# KiCad board stereoBoy_MGB.kicad_pcb (continued)
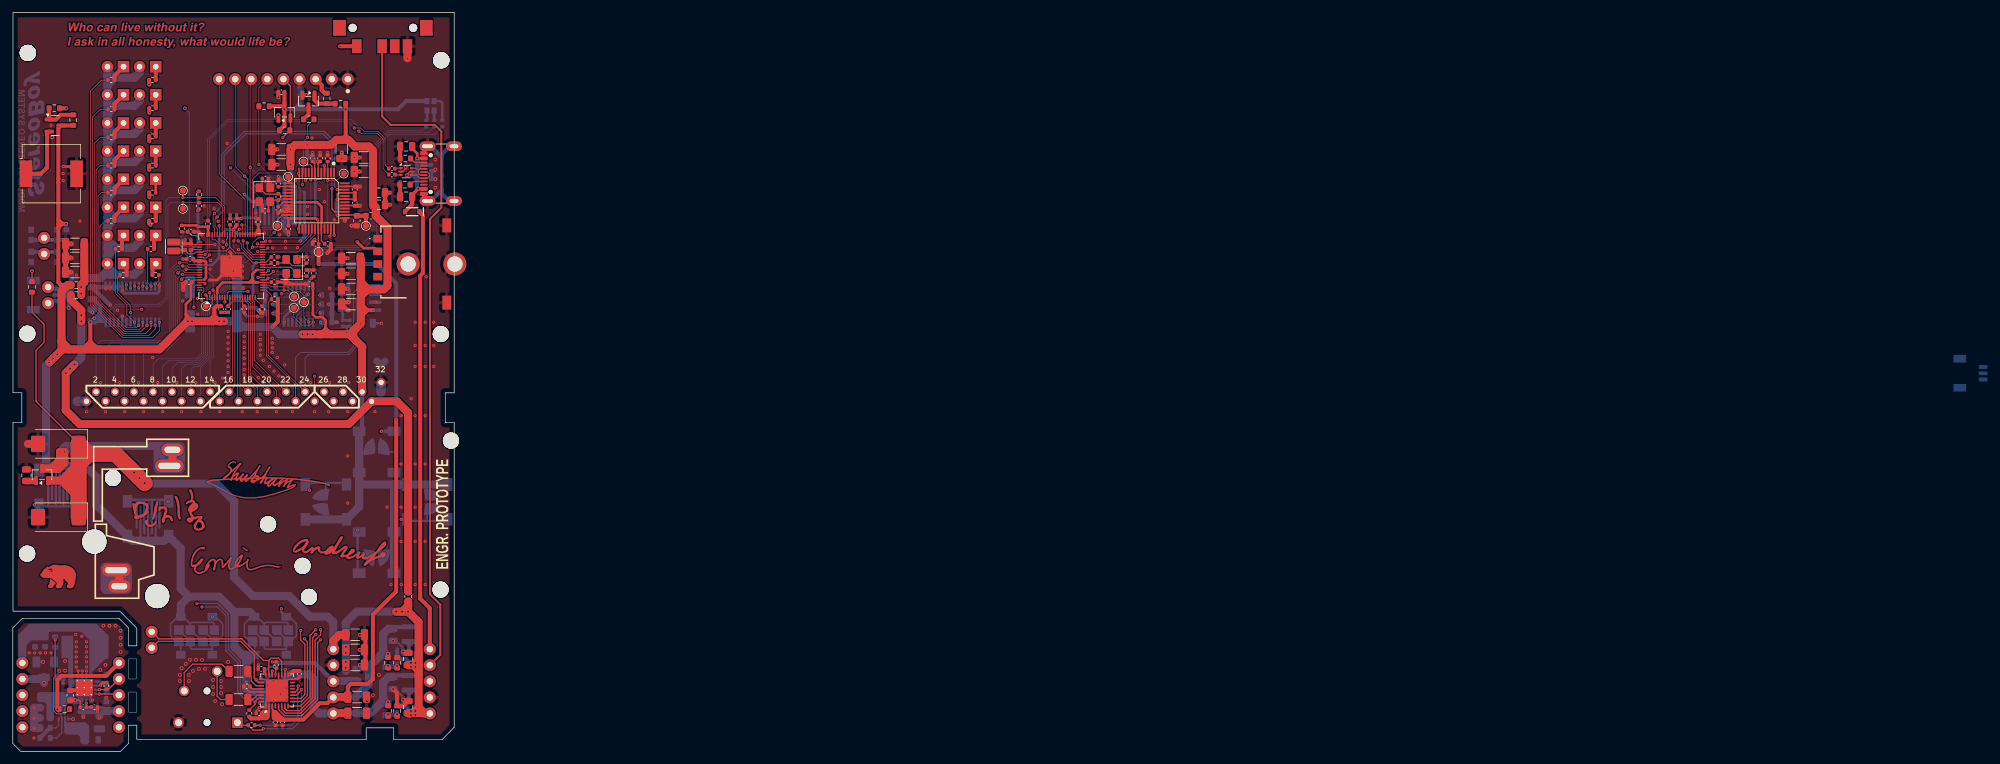
[diagram p0: board, top side]
## Library data of the parts (continued)
TP14 = -: Description: test point; ki_fp_filters: Pin* Test*
U1 = -: MF: VLSI; Description_1: VS1053B MP3/WAV/OGG/MIDI Player & Recorder (CODEC) Chip; Package: LQFP-48 VLSI; MPN: VS1053B; Price: None; SnapEDA_Link: https://www.snapeda.com/parts/VS1053B-L/VLSI/view-part/?ref=snap; MP: VS1053B-L; Availability: Not in stock; Check_prices: https://www.snapeda.com/parts/VS1053B-L/VLSI/view-part/?ref=eda
U2 = -: Datasheet: http://www.nxp.com/docs/en/data-sheet/PCA9685.pdf; Description: 16-channel 12-bit PWM Fm+ I2C-bus LED controller RGBA TSSOP; ki_fp_filters: TSSOP*4.4x9.7mm*P0.65mm*
U3 = -: Datasheet: http://www.ti.com/lit/ds/symlink/tps61090.pdf; Description: 2A Step-Up DC-DC Converter for Batteries, Isw up to 2500mA, Adjustable output voltage, QFN-16; ki_fp_filters: Texas*RSA*EP2.7x2.7mm*
U4 U8 = -: Datasheet: http://www.ti.com/lit/ds/symlink/tlv62569.pdf; Description: High Efficiency Synchronous Buck Converter, Adjustable Output 0.6V-5.5V, 2A, SOT-23-5; ki_fp_filters: SOT?23*
U5 = -: Datasheet: http://www.ti.com/lit/ds/symlink/lm809.pdf; Description: Microprocessor Reset (active-high) Circuit, SOT-23; ki_fp_filters: SOT?23*
U6 = -: Datasheet: https://assets.nexperia.com/documents/data-sheet/74HC_HCT165.pdf; Description: Shift Register, 8-bit, Parallel Load; ki_fp_filters: DIP?16* SO*16*3.9x9.9mm*P1.27mm* SSOP*16*5.3x6.2mm*P0.65mm* TSSOP*16*4.4x5mm*P0.65*
U7 = -: Datasheet: https://www.ti.com/lit/ds/symlink/tps2116.pdf; Description: 2 Channnels Power Mux with Manual and Priority Switchover, 1.6-5.5V Input Voltage, 2.5A Output Current, Ron 40 mOhm, SOT-583-8; ki_fp_filters: SOT?5?3*
U10 = -: Datasheet: http://www.ti.com/lit/ds/symlink/tlv320aic3100.pdf; Description: Low Power Audio Codec with Audio Processing and Mono Class‑D Amplifier, VQFN-32; ki_fp_filters: VQFN*1EP*5x5mm*P0.5mm*
U11 = -: Datasheet: https://datasheets.raspberrypi.com/rp2350/rp2350-datasheet.pdf; Description: Raspberry Pi RP2350B 150MHz Dual ARM Cortex-M33 Microcontroller IC QFN-80; PROD_ID: IC-23690; ki_fp_filters: ESP32?WROOM?32*
U12 = -: Datasheet: https://www.st.com/resource/en/datasheet/usblc6-2.pdf; Description: Very low capacitance ESD protection diode, 2 data-line, SOT-666; ki_fp_filters: SOT?666*
U14 = -: Datasheet: http://www.cypress.com/file/41651/download; Description: 64Kb serial FRAM nonvolatile Memory, SOIC-8; ki_fp_filters: SOIC*3.9x4.9mm*P1.27mm*
VR1 = -: Datasheet: https://tech.alpsalpine.com/e/products/detail/RK10J11R0A0L/; Description: Potentiometers Reflow type / Single-unit / 10k ohm, 1B / Knob : 14mm Dia., t1.0mm, Black; Height: 2.5; Manufacturer_Name: ALPS Electric; Mouser Part Number: 688-RK10J11R0A0L; Mouser Price/Stock: https://www.mouser.co.uk/ProductDetail/Alps-Alpine/RK10J11R0A0L?qs=Znm5pLBrcAL1zllbHYGC1Q%3D%3D
Y1 Y2 = -: Datasheet: https://ecsxtal.com/store/pdf/ECX-2236B.pdf; Description: Crystal; PROD_ID: XTAL-15540; ki_fp_filters: Crystal*

## Footprints (pads in the part's own frame, mm; a bottom-side part is the same pattern mirrored in y, then rotated)
1.54_IPS_FPC_Solder
  rect 0.4x4 smd: 1(-3.85,0) 2(-3.15,0) 3(-2.45,0) 4(-1.75,0) 5(-1.05,0) 6(-0.35,0) 7(0.35,0) 8(1.05,0) 9(1.75,0) 10(2.45,0) 11(3.15,0) 12(3.85,0)
1x02
  round 1.88 hole 1.016: 1(0,0) 2(2.54,0)
1x02_P2.54mm
  round 1.88 hole 1.016: 1(0,0) 2(2.54,0)
1x05_P2.54mm
  round 1.88 hole 1.016: 1(0,0) 2(2.54,0) 3(5.08,0) 4(7.62,0) 5(10.16,0)
1x09_P2.54mm
  round 1.88 hole 1.016: 1(0,0) 2(2.54,0) 3(5.08,0) 4(7.62,0) 5(10.16,0) 6(12.7,0) 7(15.24,0) 8(17.78,0) 9(20.32,0)
Buzzer_CUI_CPT-9019S-SMT
  rect 2x4.2 smd: 1(-4,0) 2(4,0)
C_0402_1005Metric
  rrect 0.56x0.62 smd: 1(-0.48,0) 2(0.48,0)
C_0603_1608Metric
  rrect 0.9x0.95 smd: 1(-0.775,0) 2(0.775,0)
C_0805_2012Metric
  rrect 1x1.45 smd: 1(-0.95,0) 2(0.95,0)
C_1206_3216Metric
  rrect 1.15x1.8 smd: 1(-1.475,0) 2(1.475,0)
CP_EIA-7343-15_Kemet-W_HandSolder
  rrect 2.245x2.59 smd: 1(-3.208,0) 2(3.208,0)
CP_Elec_6.3x4.5
  rrect 3.5x1.6 smd: 1(-2.7,0) 2(2.7,0)
CREE_LED_2mm_x_2mm_Common_Anode
  rect 1x0.8 smd: 1(-0.75,0.55) 2(0.75,0.55) 3(0.75,-0.55) 4(-0.75,-0.55)
Crystal_SMD_3225-4Pin_3.2x2.5mm
  rrect 1.4x1.2 smd: 1(-1.1,-0.85) 2(1.1,-0.85) 3(1.1,0.85) 4(-1.1,0.85)
dummyfp0
  round 2.54 hole 2.54 unplated: (0,0)
dummyfp1
  round 2.54 hole 2.54 unplated: (0,0)
dummyfp4
  round 2.54 hole 2.54 unplated: (0,0)
dummyfp5
  round 2.54 hole 2.54 unplated: (0,0)
dummyfp6
  round 2.54 hole 2.54 unplated: (0,0)
dummyfp7
  round 2.54 hole 2.54 unplated: (0,0)
dummyfp8
  round 2.54 hole 2.54 unplated: (0,0)
dummyfp9
  round 2.54 hole 2.54 unplated: (0,0)
dummyfp10
  round 2.54 hole 2.54 unplated: (0,0)
dummyfp11
  round 3.81 hole 3.81 unplated: (0,0)
dummyfp12
  round 3.81 hole 3.81 unplated: (0,0)
GameBoy_A_B_Pad
  custom 7.175x6.325 smd: 1(-3.25,7.87)
  rect 1.5x2 smd: 1(3.25,7.87) 2(-3.25,2.37)
  custom 7.509x6.225 smd: 2(3.25,2.37)
GameBoy_DPad
  rect 2x1.5 smd: 1(2.75,2.719) 2(-2.75,9.219)
  custom 3.575x7.175 smd: 1(2.75,9.219) 2(-2.75,2.719)
GameBoy_Select_Start
  custom 6.752x7.783 smd: 1(-3,8.215)
  rect 1.25x1.5 smd: 1(3,8.215) 2(-2.993,3.216)
  custom 7.002x7.783 smd: 2(3,3.215)
  rect 0.05x0.05 smd: P$2(0,1.645)
GBP_Power_Switch
  round 1.3 hole 1.3 unplated: (-4.4,0.759) (5.15,0.759)
  rect 1.5x2.2 smd: P$1(-3.75,-2.141) P$2(2.25,-2.141) P$3(4.25,-2.141) P$C(0.25,-2.141)
  rect 2x2.5 smd: P$MP1(-6.48,0.759) P$MP2(7.22,0.759)
Inductor_7.3x6.6mm
  rect 1.85x3.5 smd: 1(-2.775,0) 2(2.775,0)
JST_1x03_P1.0mm_Horizontal_SMD
  rect 0.6x1.35 smd: 1(-1,0) 2(0,0) 3(1,0)
  rect 1.2x2 smd: NC1(2.3,-3.675) NC2(-2.3,-3.675)
L_0603_1608Metric
  rrect 0.875x0.95 smd: 1(-0.788,0) 2(0.788,0)
L_0805_2012Metric
  rrect 0.875x1.2 smd: 1(-1.062,0) 2(1.062,0)
L_APV_ANR3012
  rrect 0.8x2.7 smd: 1(-1.15,0) 2(1.15,0)
L_Cenker_CKCS201610
  rrect 1.1x2.1 smd: 1(-0.7,0) 2(0.7,0)
LED_1206_3216Metric_Green
  rrect 1.25x1.75 smd: 1(-1.4,0) 2(1.4,0)
LED_D3.0mm
  rect 1.8x1.8 hole 0.9: 1(0,0)
  round 1.8 hole 0.9: 2(2.54,0)
MGB+BATTERY4
  rrect 4.953x4.953 smd far side: P$1(0.5,0)
  rrect 3.5x2 hole 2.5x1: P$2(0.997,1.27)
  rrect 4.5x2 hole 3.5x1: P$3(0.514,-1.27)
MGB-BATTERY4
  rrect 4.953x4.953 smd far side: P$1(0.25,0.117)
  rrect 3.5x2 hole 2.5x1: P$3(0.743,-1.143)
  rrect 4.5x2 hole 3.5x1: P$4(0.26,1.397)
MGB-CART-CONN
  round 2.54 hole 2.54 unplated: (2.061,12.36) (2.061,12.36) (67.328,12.306) (67.328,12.306)
  round 1.338 hole 0.83: 1(11.403,1.675) 2(12.903,3.175) 3(14.403,1.675) 4(15.903,3.175) 5(17.403,1.675) 6(18.903,3.175) 7(20.403,1.675) 8(21.903,3.175) 9(23.403,1.675) 10(24.903,3.175) 11(26.403,1.675) 12(27.903,3.175) 13(29.403,1.675) 14(30.903,3.175) 15(32.403,1.675) 16(33.903,3.175) 17(35.403,1.675) 18(36.903,3.175) 19(38.403,1.675) 20(39.903,3.175) 21(41.403,1.675) 22(42.903,3.175) 23(44.403,1.675) 24(45.903,3.175) 25(47.403,1.675) 26(48.903,3.175) 27(50.403,1.675) 28(51.903,3.175) 29(53.403,1.675) 30(54.903,3.175) 31(56.403,1.675) 32(57.903,4.675)
Push_SMD_4.6x2.8mm_h2.5mm
  rect 0.9x1 smd: 1(-2.05,0.8) 1(2.05,0.8) 2(-2.05,-0.8) 2(2.05,-0.8)
QFN-80-1EP_10x10mm_P0.4mm_EP3.4x3.4mm
  rrect 0.91x0.91 smd: (-1.13,1.13) (-1.13,0) (-1.13,-1.13) (0,1.13) (0,0) (0,-1.13) (1.13,1.13) (1.13,0) (1.13,-1.13)
  rrect 0.8x0.2 smd: 1(-4.95,3.8) 2(-4.95,3.4) 3(-4.95,3) 4(-4.95,2.6) 5(-4.95,2.2) 6(-4.95,1.8) 7(-4.95,1.4) 8(-4.95,1) 9(-4.95,0.6) 10(-4.95,0.2) 11(-4.95,-0.2) 12(-4.95,-0.6) 13(-4.95,-1) 14(-4.95,-1.4) 15(-4.95,-1.8) 16(-4.95,-2.2) 17(-4.95,-2.6) 18(-4.95,-3) 19(-4.95,-3.4) 20(-4.95,-3.8) 41(4.95,-3.8) 42(4.95,-3.4) 43(4.95,-3) 44(4.95,-2.6) 45(4.95,-2.2) 46(4.95,-1.8) 47(4.95,-1.4) 48(4.95,-1) 49(4.95,-0.6) 50(4.95,-0.2) 51(4.95,0.2) 52(4.95,0.6) 53(4.95,1) 54(4.95,1.4) 55(4.95,1.8) 56(4.95,2.2) 57(4.95,2.6) 58(4.95,3) 59(4.95,3.4) 60(4.95,3.8)
  rrect 0.2x0.8 smd: 21(-3.8,-4.95) 22(-3.4,-4.95) 23(-3,-4.95) 24(-2.6,-4.95) 25(-2.2,-4.95) 26(-1.8,-4.95) 27(-1.4,-4.95) 28(-1,-4.95) 29(-0.6,-4.95) 30(-0.2,-4.95) 31(0.2,-4.95) 32(0.6,-4.95) 33(1,-4.95) 34(1.4,-4.95) 35(1.8,-4.95) 36(2.2,-4.95) 37(2.6,-4.95) 38(3,-4.95) 39(3.4,-4.95) 40(3.8,-4.95) 61(3.8,4.95) 62(3.4,4.95) 63(3,4.95) 64(2.6,4.95) 65(2.2,4.95) 66(1.8,4.95) 67(1.4,4.95) 68(1,4.95) 69(0.6,4.95) 70(0.2,4.95) 71(-0.2,4.95) 72(-0.6,4.95) 73(-1,4.95) 74(-1.4,4.95) 75(-1.8,4.95) 76(-2.2,4.95) 77(-2.6,4.95) 78(-3,4.95) 79(-3.4,4.95) 80(-3.8,4.95)
  rect 3.4x3.4 smd: 81(0,0)
R_0402_1005Metric
  rrect 0.54x0.64 smd: 1(-0.51,0) 2(0.51,0)
R_0603_1608Metric
  rrect 0.8x0.95 smd: 1(-0.825,0) 2(0.825,0)
R_0805_2012Metric
  rrect 1.025x1.4 smd: 1(-0.912,0) 2(0.912,0)
RK10J11R0A0L
  rect 1.2x1.4 smd: 1(-4,-9) 2(-2,-9) 3(4,-9) 4(0,-9) 5(2,-9)
  rect 2.2x1.4 smd: 6(-6.1,1.905) 7(6.1,1.905)
  round 3.63 hole 2.42: 8(0,-4.2) 9(0,3.175)
SJ_43514
  round 1.1 hole 1.1 unplated: (-2.6,0) (2.4,0)
  rect 1.65x1.65 hole 1.1: 1(-2.6,4.8)
  round 1.65 hole 1.1: 2(2.4,-3.6) 3(5.5,1.6) 4(-2.6,-4.5)
SOD-323
  rect 0.63x0.83 smd: 1(-1.15,0) 2(1.15,0)
SOIC-8_3.9x4.9mm_P1.27mm
  rrect 1.95x0.6 smd: 1(-2.475,1.905) 2(-2.475,0.635) 3(-2.475,-0.635) 4(-2.475,-1.905) 5(2.475,-1.905) 6(2.475,-0.635) 7(2.475,0.635) 8(2.475,1.905)
SOT-23
  rrect 1.475x0.6 smd: 1(-0.938,0.95) 2(-0.938,-0.95) 3(0.938,0)
SOT-23-5
  rrect 1.325x0.6 smd: 1(-1.137,0.95) 2(-1.137,0) 3(-1.137,-0.95) 4(1.137,-0.95) 5(1.137,0.95)
SOT-583-8
  rrect 0.67x0.3 smd: 1(-0.74,0.75) 2(-0.74,0.25) 3(-0.74,-0.25) 4(-0.74,-0.75) 5(0.74,-0.75) 6(0.74,-0.25) 7(0.74,0.25) 8(0.74,0.75)
SOT-666
  rrect 0.5x0.375 smd: 1(-0.85,0.537) 3(-0.85,-0.537) 4(0.85,-0.537) 6(0.85,0.537)
  rrect 0.65x0.3 smd: 2(-0.925,0) 5(0.925,0)
StereoBoy_PSU
  round 1.88 hole 1.016: 1(7.62,-6.35) 2(7.62,-3.81) 3(7.62,-1.27) 4(7.62,1.27) 5(7.62,3.81) 6(-7.62,-6.35) 7(-7.62,-3.81) 8(-7.62,-1.27) 9(-7.62,1.27) 10(-7.62,3.81)
TestPoint_Pad_D1.0mm
  round 1 smd: 1(0,0)
Texas_RSA_VQFN-16-1EP_4x4mm_P0.65mm_EP2.7x2.7mm_ThermalVias
  rrect 0.64x0.64 smd: (-0.9,-0.9) (-0.9,0) (-0.9,0.9) (0,-0.9) (0,0) (0,0.9) (0.9,-0.9) (0.9,0) (0.9,0.9)
  rrect 0.825x0.35 smd: 1(-1.962,0.975) 2(-1.962,0.325) 3(-1.962,-0.325) 4(-1.962,-0.975) 9(1.962,-0.975) 10(1.962,-0.325) 11(1.962,0.325) 12(1.962,0.975)
  rrect 0.35x0.825 smd: 5(-0.975,-1.962) 6(-0.325,-1.962) 7(0.325,-1.962) 8(0.975,-1.962) 13(0.975,1.962) 14(0.325,1.962) 15(-0.325,1.962) 16(-0.975,1.962)
  round 0.5 hole 0.2: 17(-1.1,-1.1) 17(-1.1,1.1) 17(-1.1,0) 17(0,-1.1) 17(0,0) 17(0,1.1) 17(1.1,0) 17(1.1,-1.1) 17(1.1,1.1)
  rect 2.7x2.7 smd far side: 17(0,0)
  rect 2.7x2.7 smd: 17(0,0)
TSSOP-16_4.4x5mm_P0.65mm
  rrect 1.475x0.4 smd: 1(-2.862,2.275) 2(-2.862,1.625) 3(-2.862,0.975) 4(-2.862,0.325) 5(-2.862,-0.325) 6(-2.862,-0.975) 7(-2.862,-1.625) 8(-2.862,-2.275) 9(2.862,-2.275) 10(2.862,-1.625) 11(2.862,-0.975) 12(2.862,-0.325) 13(2.862,0.325) 14(2.862,0.975) 15(2.862,1.625) 16(2.862,2.275)
TSSOP-28_4.4x9.7mm_P0.65mm
  rrect 1.475x0.4 smd: 1(-2.862,4.225) 2(-2.862,3.575) 3(-2.862,2.925) 4(-2.862,2.275) 5(-2.862,1.625) 6(-2.862,0.975) 7(-2.862,0.325) 8(-2.862,-0.325) 9(-2.862,-0.975) 10(-2.862,-1.625) 11(-2.862,-2.275) 12(-2.862,-2.925) 13(-2.862,-3.575) 14(-2.862,-4.225) 15(2.862,-4.225) 16(2.862,-3.575) 17(2.862,-2.925) 18(2.862,-2.275) 19(2.862,-1.625) 20(2.862,-0.975) 21(2.862,-0.325) 22(2.862,0.325) 23(2.862,0.975) 24(2.862,1.625) 25(2.862,2.275) 26(2.862,2.925) 27(2.862,3.575) 28(2.862,4.225)
unnamed
  round 2.54 hole 2.54 unplated: (0,0)
unnamed#2
  round 3.81 hole 3.81 unplated: (0,0)
USB_C_Receptacle_GCT_USB4105-xx-A_16P_TopMnt_Horizontal
  round 0.65 hole 0.65 unplated: (-2.89,2.605) (2.89,2.605)
  rrect 0.6x1.15 smd: A1(-3.2,3.68) A4(-2.4,3.68) A9(2.4,3.68) A12(3.2,3.68) B1(3.2,3.68) B4(2.4,3.68) B9(-2.4,3.68) B12(-3.2,3.68)
  rrect 0.3x1.15 smd: A5(-1.25,3.68) A6(-0.25,3.68) A7(0.25,3.68) A8(1.25,3.68) B5(1.75,3.68) B6(0.75,3.68) B7(-0.75,3.68) B8(-1.75,3.68)
  oval 1.5x2.5 hole 0.6x1.7: S1(-4.32,3.105) S1(4.32,3.105)
  oval 1.5x2.5 hole 0.6x1.4: S1(-4.32,-1.075) S1(4.32,-1.075)
VQFN-32-1EP_5x5mm_P0.5mm_EP3.5x3.5mm
  rrect 1.41x1.41 smd: (-0.875,0.875) (-0.875,-0.875) (0.875,0.875) (0.875,-0.875)
  rrect 0.8x0.25 smd: 1(-2.45,1.75) 2(-2.45,1.25) 3(-2.45,0.75) 4(-2.45,0.25) 5(-2.45,-0.25) 6(-2.45,-0.75) 7(-2.45,-1.25) 8(-2.45,-1.75) 17(2.45,-1.75) 18(2.45,-1.25) 19(2.45,-0.75) 20(2.45,-0.25) 21(2.45,0.25) 22(2.45,0.75) 23(2.45,1.25) 24(2.45,1.75)
  rrect 0.25x0.8 smd: 9(-1.75,-2.45) 10(-1.25,-2.45) 11(-0.75,-2.45) 12(-0.25,-2.45) 13(0.25,-2.45) 14(0.75,-2.45) 15(1.25,-2.45) 16(1.75,-2.45) 25(1.75,2.45) 26(1.25,2.45) 27(0.75,2.45) 28(0.25,2.45) 29(-0.25,2.45) 30(-0.75,2.45) 31(-1.25,2.45) 32(-1.75,2.45)
  rect 3.5x3.5 smd: 33(0,0)
VS1053b
  rect 1.5x0.3 smd: 1(-4.45,2.75) 2(-4.45,2.25) 3(-4.45,1.75) 4(-4.45,1.25) 5(-4.45,0.75) 6(-4.45,0.25) 7(-4.45,-0.25) 8(-4.45,-0.75) 9(-4.45,-1.25) 10(-4.45,-1.75) 11(-4.45,-2.25) 12(-4.45,-2.75) 25(4.45,-2.75) 26(4.45,-2.25) 27(4.45,-1.75) 28(4.45,-1.25) 29(4.45,-0.75) 30(4.45,-0.25) 31(4.45,0.25) 32(4.45,0.75) 33(4.45,1.25) 34(4.45,1.75) 35(4.45,2.25) 36(4.45,2.75)
  rect 0.3x1.5 smd: 13(-2.75,-4.45) 14(-2.25,-4.45) 15(-1.75,-4.45) 16(-1.25,-4.45) 17(-0.75,-4.45) 18(-0.25,-4.45) 19(0.25,-4.45) 20(0.75,-4.45) 21(1.25,-4.45) 22(1.75,-4.45) 23(2.25,-4.45) 24(2.75,-4.45) 37(2.75,4.45) 38(2.25,4.45) 39(1.75,4.45) 40(1.25,4.45) 41(0.75,4.45) 42(0.25,4.45) 43(-0.25,4.45) 44(-0.75,4.45) 45(-1.25,4.45) 46(-1.75,4.45) 47(-2.25,4.45) 48(-2.75,4.45)
WAi_0402_1005Metric
  rect 0.6x0.7 smd: 1(-0.5,0) 2(0.5,0)

## Nets
+1V2: C22.1 C23.1 C25.1 C82.1 L9.1 U11.10 U11.32 U11.51 U11.65
+1V8: C24.2 C26.2 C31.2 C39.2 C40.2 C80.1 J13.2 L6.2 TP26.1 U1.5 U1.7 U1.24 U1.31 U10.3
+1V8_MODULE_NC: J11.2
+3V3: BTN_A1.1 BTN_B1.1 BTN_D1.1 BTN_L1.1 BTN_R1.1 BTN_U1.1 C6.2 C13.2 C15.2 C16.1 C17.1 C18.1 C19.1 C27.2 C29.2 C36.2 C37.2 C38.2 C41.2 C43.1 C44.1 C46.2 C47.1 C51.2 C52.1 C55.2 C57.1 C58.1 C59.1 C60.1 C61.2 C64.1 C66.2 C67.2 C69.2 C70.2 C71.2 C72.2 C73.2 C74.2 C78.1 C79.1 C81.2 D17.1 J1.3 J1.4 J3.30 J6.6 J13.1 L2.2 L8.1 Q1.3 R20.2 R22.1 R24.1 R25.1 R27.2 R29.2 R30.2 R34.1 R45.2 R46.1 R47.2 R48.1 SELECT1.1 START1.1 U1.6 U1.14 U1.19 U1.32 U2.28 U5.3 U6.16 U10.2 U10.17 U10.28 U11.5 U11.15 U11.24 U11.29 U11.41 U11.50 U11.59 U11.60 U11.64 U11.68 U11.69 U11.76 U14.8 VR1.3
+3V3_MODULE_NC: J11.1
+5V: J3.31 L7.1 R21.2
+5V_BUCK: C7.1 C28.1 C48.1 C62.1 C63.1 R4.1 U3.1 U3.15 U3.16 U7.6
+5V_OUT: C9.1 C11.1 C53.2 C77.1 J13.6 L3.2 L7.2 U4.1 U4.4 U8.1 U8.4
+5V_OUT_MODULE: C42.1 J10.1 L10.2
+5V_SPK: C83.1 C84.1 C87.2 J13.3 L3.1 U10.21 U10.24
+5V_SPK_MODULE_NC: J11.3
+VCC_LED: C45.2 C56.2 C88.2 D1.2 D2.2 D3.2 D4.2 D5.2 D6.2 D7.2 D8.2 D9.2 D10.2 D11.2 D12.2 D13.2 D14.2 D15.2 D16.2 R21.1 R22.2
AVDD: C49.1 C54.1 C75.1 L8.2 TP10.1 U1.38 U1.43 U1.45
GND: -0.P$1 -0.P$3 -0.P$4 BZ1.2 C1.2 C2.2 C3.1 C4.1 C5.1 C6.1 C7.2 C8.2 C9.2 C11.2 C13.1 C14.2 C15.1 C16.2 C17.2 C18.2 C19.2 C20.1 C21.1 C22.2 C23.2 C24.1 C25.2 C26.1 C27.1 C28.2 C29.1 C30.2 C31.1 C34.1 C36.1 C37.1 C38.1 C39.1 C40.1 C41.1 C42.2 C43.2 C44.2 C45.1 C46.1 C47.2 C48.2 C49.2 C51.1 C52.2 C53.1 C54.2 C55.1 C56.1 C57.2 C58.2 C59.2 C60.2 C61.1 C62.2 C63.2 C64.2 C65.2 C66.1 C67.1 C68.2 C69.1 C70.1 C71.1 C72.1 C73.1 C74.1 C75.2 C76.2 C77.2 C78.2 C79.2 C80.2 C81.1 C82.2 C83.2 C84.2 C85.2 C86.2 C87.1 C88.1 D23.1 J1.1 J1.5 J1.6 J1.12 J2.2 J3.1 J3.32 J5.4 J6.8 J6.9 J7.A1 J7.A12 J7.B1 J7.B12 J7.S1 J10.2 J11.4 J13.4 J13.7 Q3.2 R3.2 R5.1 R6.1 R7.1 R8.1 R9.1 R10.1 R11.1 R12.1 R13.2 R16.2 R33.2 R36.2 R38.2 R44.1 R49.2 R50.2 R54.2 R56.2 SW1.1 SW2.1 SW3.P$3 U1.4 U1.16 U1.20 U1.21 U1.22 U1.35 U1.37 U1.40 U1.41 U1.47 U2.1 U2.2 U2.3 U2.4 U2.5 U2.14 U2.24 U2.25 U3.5 U3.6 U3.7 U3.10 U3.13 U3.17 U4.2 U5.1 U6.8 U6.10 U7.1 U8.2 U10.1 U10.16 U10.18 U10.20 U10.25 U10.29 U10.33 U11.62 U11.81 U12.2 U14.1 U14.2 U14.3 U14.4 U14.7 VR1.1 VR1.6 VR1.7 VR1.8 VR1.9 Y1.2 Y1.4 Y2.2 Y2.4
VBUS: D22.1 J13.10
VBUS_MODULE: J10.5 R39.2 R55.1 U7.3 U7.5
VBUS_RAW: C5.2 C68.1 C76.1 D22.2 J7.A4 J7.A9 J7.B4 J7.B9 U12.5
+BATT: C1.1 C2.1 C34.2 J13.5 Q2.2 R23.1
+BATT_MODULE: C65.1 C85.1 J11.5 L1.2 R1.1 U3.8
ADC0: J3.11 U11.49
BACKLIGHT: J6.7 R31.2 U11.2
BTN_A: BTN_A1.2 R5.2 U6.13
BTN_B: BTN_B1.2 R6.2 U6.14
BTN_D: BTN_D1.2 R8.2 U6.4
BTN_L: BTN_L1.2 R9.2 U6.6
BTN_R: BTN_R1.2 R10.2 U6.3
BTN_SELECT: R11.2 SELECT1.2 U6.12
BTN_START: R12.2 START1.2 U6.11
BTN_U: BTN_U1.2 R7.2 U6.5
BUZZER: R2.1 U11.4
CODEC_DREQ: TP31.1 U1.8 U11.37
CODEC_L_OUT: U1.46 U11.57
CODEC_R_OUT: U1.39 U11.56
CODEC_RST: R50.1 TP27.1 U1.3 U11.28
CODEC_RX: U1.26
CODEC_TX: U1.27
CODEC_XCS: TP33.1 U1.23 U11.40
CODEC_XDCS: TP32.1 U1.13 U11.42
DAC_GPIO1: U10.32 U11.80
DAC_RST: R30.1 U10.31 U11.78
HP_L: C32.2 J5.2
HP_R: C33.1 J5.3
HSTX_12: J3.15 U11.11
HSTX_13: J3.16 U11.12
HSTX_14: J3.17 U11.13
HSTX_15: J3.18 U11.14
HSTX_16: J3.19 U11.16
HSTX_17: J3.20 U11.17
HSTX_18: J3.21 U11.18
HSTX_19: J3.22 U11.19
I2C0_SCL: J3.24 R48.2 U10.10 U11.21 U14.6
I2C0_SDA: J3.23 R47.1 U10.9 U11.20 U14.5
I2C1_SCL: R46.2 TP1.1 U2.26 U11.54
I2C1_SDA: R45.1 TP2.1 U2.27 U11.53
I2S_BCLK: J3.28 U1.11 U10.7
I2S_DIN: J3.29 U1.12 U10.5
I2S_MCLK: J3.26 U1.25 U10.8
I2S_WSEL: J3.27 U1.36 U10.6
LEDDRV_OE: U2.23 U11.77
LEDK: J1.2 R28.2
LOW_BATT: J13.8 U11.8
LOW_BATT_MODULE: J10.3 U3.12
MICBIAS: R53.2 U10.12
MICDET: J5.1 R53.1 U10.11
NRST: J3.25 J4.1 R27.1 SW1.2 U11.35
POT: U11.55 VR1.2
PWR_EN: J13.9 SW3.P$C
PWR_EN_MODULE: J10.4 R54.1 U3.11
QSPI_CS: J3.7 J4.2 SW2.2 U11.75
QSPI_CS1: J3.9 U11.58
QSPI_IO0: J3.4 U11.72
QSPI_IO1: J3.6 U11.74
QSPI_IO2: J3.5 U11.73
QSPI_IO3: J3.2 U11.70
QSPI_SCK: J3.3 U11.71
RGB_B: R17.2 U11.27
RGB_G: R18.2 U11.26
RGB_R: R19.2 U11.25
SD_CS: J3.8 U11.79
SD_DETECT: J3.10 U11.52
SPI0_CS: J1.8 J6.4 R24.2 U11.46
SPI0_MISO: J6.1 U11.45
SPI0_MOSI: J1.10 J6.2 U11.44
SPI0_SCK: J1.9 J6.3 U11.43
SPI1_MISO: J3.14 U1.30 U11.36
SPI1_MOSI: J3.13 U1.29 U11.39
SPI1_SCK: J3.12 U1.28 U11.38
SR_CLK: TP24.1 U6.2 U11.23
SR_OUT: TP12.1 U6.9 U11.22
SR_SH/LD: TP23.1 U6.1 U11.9
SWCLK: J2.1 J8.2 U11.33
SWDIO: J2.3 J8.1 U11.34
TFTDC_3V: J1.7 U11.48
TFTRST_3V: J1.11 J6.5 R34.2 U5.2 U11.1
USB_DM: J7.A7 J7.B7 U12.4
USB_DM_STM32: R15.1 U11.66
USB_DP: J7.A6 J7.B6 U12.6
USB_DP_STM32: R14.1 U11.67
Net-(BZ1-+): BZ1.1 Q1.2
Net-(C8-Pad1): C8.1 L10.1 U7.2 U7.7
Net-(C10-Pad1): C10.1 C30.1 L2.1 L4.2 R35.1
Net-(C12-Pad1): C12.1 C86.1 L5.2 L6.1 R37.1
Net-(C21-Pad2): C21.2 R26.1 Y2.3
Net-(D1-K): D1.1 R32.2
Net-(D2-K): D2.1 R58.2
Net-(D3-K): D3.1 R59.2
Net-(D4-K): D4.1 R60.2
Net-(D5-K): D5.1 R61.2
Net-(D6-K): D6.1 R62.2
Net-(D7-K): D7.1 R63.2
Net-(D8-K): D8.1 R64.2
Net-(D9-K): D9.1 R65.2
Net-(D10-K): D10.1 R66.2
Net-(D11-K): D11.1 R67.2
Net-(D12-K): D12.1 R68.2
Net-(D13-K): D13.1 R69.2
Net-(D14-K): D14.1 R70.2
Net-(D15-K): D15.1 R71.2
Net-(D16-K): D16.1 R72.2
Net-(D17-Pad2): D17.2 R17.1
Net-(D17-Pad3): D17.3 R18.1
Net-(D17-Pad4): D17.4 R19.1
Net-(D23-A): D23.2 R73.1
Net-(J7-CC1): J7.A5 R16.1
Net-(J7-CC2): J7.B5 R33.1
Net-(L1-Pad1): L1.1 U3.3 U3.4
Net-(Q1-G): Q1.1 R2.2 R20.1
Net-(Q2-D): +0.P$1 +0.P$2 +0.P$3 Q2.3
Net-(Q2-G): Q2.1 R44.2
Net-(Q3-D): Q3.3 R28.1
Net-(Q3-G): Q3.1 R29.1 R31.1
Net-(R14-Pad2): R14.2 U12.1
Net-(R15-Pad2): R15.2 U12.3
Net-(SPK_CONN1-Pin_1): SPK_CONN1.1 U10.22 U10.26
Net-(SPK_CONN1-Pin_2): SPK_CONN1.2 U10.19 U10.23
Net-(SW3-1): R23.2 SW3.P$1
Net-(U1-XTALI): C4.2 R51.1 U1.18 Y1.3
Net-(U1-XTALO): C3.2 R51.2 U1.17 Y1.1
Net-(U2-LED0): R32.1 U2.6
Net-(U2-LED1): R58.1 U2.7
Net-(U2-LED2): R59.1 U2.8
Net-(U2-LED3): R60.1 U2.9
Net-(U2-LED4): R61.1 U2.10
Net-(U2-LED5): R62.1 U2.11
Net-(U2-LED6): R63.1 U2.12
Net-(U2-LED7): R64.1 U2.13
Net-(U2-LED8): R65.1 U2.15
Net-(U2-LED9): R66.1 U2.16
Net-(U2-LED10): R67.1 U2.17
Net-(U2-LED11): R68.1 U2.18
Net-(U2-LED12): R69.1 U2.19
Net-(U2-LED13): R70.1 U2.20
Net-(U2-LED14): R71.1 U2.21
Net-(U2-LED15): R72.1 U2.22
Net-(U3-FB): R4.2 R13.1 U3.14
Net-(U3-LBI): R1.2 R3.1 U3.9
Net-(U4-FB): C10.2 R35.2 R36.1 U4.5
Net-(U4-SW): L4.1 U4.3
Net-(U6-~{CE}): R49.1 U6.15
Net-(U7-PR1): R55.2 R56.1 U7.4
Net-(U7-ST): R39.1 R73.2 U7.8
Net-(U8-FB): C12.2 R37.2 R38.1 U8.5
Net-(U8-SW): L5.1 U8.3
Net-(U10-HPL): C32.1 U10.27
Net-(U10-HPR): C33.2 U10.30
Net-(U11-GPIO6): TP14.1 U11.3
Net-(U11-VREG_AVDD): C14.1 R25.2 U11.61
Net-(U11-VREG_LX): L9.2 U11.63
Net-(U11-XIN): C20.2 U11.30 Y2.1
Net-(U11-XOUT): R26.2 U11.31

Pads without a net: J2 NC1 NC2; J2#2 1 2 3 NC1 NC2; J7 A8 B8; SELECT1 P$2; START1 P$2; SW3 P$2 P$MP1 P$MP2; U1 1 2 9 10 15 33 34 42 44 48; U3 2; U6 7; U10 4 13 14 15; U11 6 7 47; VR1 4 5

## Via types
v1: diameter 0.5, hole 0.2, Top to Bottom, 415 vias
v2: diameter 0.6, hole 0.3, Top to Bottom, 111 vias

## Routing (per net, layer and track width the routed paths; a pad name or vN(x,y) marks a point on that pad's centre or on a via; arc(x,y) is an arc through that point)
+1V2: length 32.6
  Top w0.152: C22.1 39.98,77.28 U11.32 39.39,77.25 38.51,77.25 v1(38.43,77.18) 37.92,77.18 36.35,78.74 35.17,78.74 34.26,79.65 ; C23.1 34.26,83.16 U11.51 34.26,79.65 ; v1(33.99,70.33) 34.26,70.61 U11.10 ; 34.26,79.65 33.67,79.06 30.17,79.06 29.99,78.88 U11.65 28.86,78.88 28.6,78.61 27.64,78.61 27.49,78.76 27.49,78.86 C82.1
  Top w0.203: L9.1 25.55,79.19 C82.1
  Bottom w0.406: v1(38.43,77.18) 37.92,76.67 37.92,72.2 36.91,71.19 34.84,71.19 v1(33.99,70.33)
+1V8: length 122.9
  Top w0.2: C40.2 47.66,92.87 47.66,91.49 U1.7
  Top w0.203: U10.3 40.95,6.75 41.6,6.1 ; U1.5 48.71,90.43 48.66,90.39 47.75,90.39 47.71,90.43 U1.7 ; C26.2 48.21,80.24 U1.31 48.21,83.87 v1(48.1,83.98)
  Top w0.406: C39.2 43.51,84.19 43.51,84.19 47.88,84.19 v1(48.1,83.98) ; C26.2 TP26.1
  Top w0.635: J13.2 49.68,7.62 48.47,7.62 45.86,5.01 42.67,5.01 ; v1(48.27,76.99) TP26.1 ; C80.1 52.88,10.16 53.35,10.64 56.05,10.64 56.85,11.43 56.85,21.59 60.52,25.27 v1(60.52,52.37)
  Top w1.27: J13.2 50.63,8.57 C80.1
  Bottom w0.406: v1(47.74,90.38) 47.74,84.34 v1(48.1,83.98)
  Bottom w0.635: v1(48.27,76.99) 57.46,76.99 60.52,73.93 v1(60.52,52.37)
  Bottom w1.27: L6.2 50.63,8.57 J13.2
+3V3: length 565.5
  Top w0.102: 35.5,83.18 35.5,83.17
  Top w0.152: 30.21,74.53 30.16,74.48 U11.76 28.62,74.48 C16.1 ; U11.41 38.49,81.63 v1(38.73,81.86) ; U11.15 36.26,70.59 C18.1 ; U11.29 38.77,76.08 38.74,76.05 ; 32.26,72.39 U11.5 32.26,70.42 32.16,70.33 ; v1(34.79,82.42) 34.66,82.3 U11.50 ; 40.81,73.99 C19.1 40.75,74.08 U11.24 38.77,74.08 ; U11.68 U11.69 ; U11.64 28.2,79.28 v1(28.11,79.19)
  Top w0.203: v1(43.76,12.16) 43.67,12.07 U10.17 ; C38.2 48.21,92.9 48.21,92.71 ; 48.21,92.71 48.21,93.11 v1(48.12,93.2) ; 48.21,92.71 U1.6 ; 48.75,83.7 48.71,83.66 U1.32 48.71,80.69 C37.2 ; C71.2 42.63,86.75 U1.19 v1(44.54,86.75) ; 31.81,69.3 31.85,69.3 ; U10.28 37.8,9.87 C13.2 36.85,10.82 v1(36.85,10.96) ; C27.2 41.96,89.25 U1.14 v1(44.54,89.25) ; U10.2 40.45,6.56 40.08,6.19 v1(40.02,6.19)
  Top w0.406: 30.81,81.78 C6.2 v1(29.22,82.87) 29,83.09 R25.1 ; v1(29.22,88.42) 29.32,88.42 R45.2 ; v1(40.02,6.19) 39.54,6.19 C41.2 ; 49.38,66.91 49.38,65.92 ; 49.38,66.91 48.45,65.97 48.45,65.88 ; 49.38,66.91 50.35,65.94 50.35,65.88 ; 49.38,66.91 49.38,68.1 48.91,68.58 47.8,68.58 47.37,69 v1(47.37,73.16) 47.37,73.77 C15.2 ; 37.8,74.14 37.86,74.08 38.27,74.08 ; 37.8,74.14 37.74,74.08 37.32,74.08 ; 37.8,74.14 37.8,74.61 ; C79.1 28.43,77.73 28.69,77.47 30.34,77.47 30.49,77.31 v1(30.49,76.84) 30.49,74.81 30.21,74.53 ; 37.8,74.55 37.32,74.08 ; 37.8,74.55 37.8,74.61 ; 37.8,74.55 38.27,74.08 ; 37.32,74.08 33.13,74.08 32.26,73.21 32.26,72.39 ; 37.32,74.08 38.27,74.08 ; C16.1 28.11,73.97 28.11,71.43 27.32,70.64 27.32,69.06 ; 10.49,63.76 10.75,63.51 ; 37.8,74.61 37.8,75.41 38.44,76.05 38.74,76.05 ; 27.59,67.95 27.32,68.21 27.32,69.06 ; C57.1 35.11,82.96 35.11,82.74 v1(34.79,82.42) ; 38.27,74.08 38.77,74.08 ; 28.45,67.95 27.34,69.06 27.32,69.06 ; v1(44.54,86.75) 48.05,86.75 48.75,86.04 48.75,83.7 ; 38.59,81.92 38.75,82.07 C47.1
  Top w0.457: R46.1 29.38,85.59 v1(29.22,85.43)
  Top w0.635: 31.81,68.91 31.81,68.89 ; 31.81,68.91 31.81,69.97 32.16,70.33 C17.1 ; 31.81,68.91 31.81,68.21 31.54,67.95 ; 31.81,68.89 30.86,67.95 30.85,67.95 ; 31.81,68.89 31.81,68.87 32.73,67.95 32.75,67.95 ; v1(40.97,67.06) 41.83,67.92 R48.1 ; 12.24,64.77 13.5,63.51 13.67,63.51 ; 12.24,64.77 12.24,63.82 12.55,63.51 ; 12.24,64.77 10.97,63.51 10.75,63.51 ; 12.24,64.77 v2(12.24,67.79) ; R20.2 9.51,98.87 Q1.3 7.19,98.44 7.19,90.49 7.18,90.49 7.18,89.85 7.19,89.85 7.19,83.98 ; 52.94,96.61 52.94,96.84 52.55,97.24 ; 7.19,82.71 7.19,83.34 ; 7.19,82.71 7.19,82.74 7.79,83.34 ; 7.19,82.71 7.19,74.11 7.55,73.74 ; 7.19,83.34 7.79,83.34 ; 7.19,83.34 7.19,83.98 ; v1(38.82,69.62) 39.13,69.31 R47.2 ; 7.79,83.34 7.79,83.37 7.19,83.98 ; 7.79,83.34 v2(8.43,83.34) ; 52.55,97.24 v2(52.55,101.44) R29.2 ; 52.55,97.24 C74.2 ; 7.55,73.74 7.63,73.66 8.67,73.66 ; 7.55,73.74 8.15,73.14 ; 7.55,73.74 7.69,73.61 7.69,72.68 ; R30.2 37.6,5.2 38.87,5.2 39.38,5.72 C41.2 ; 55.95,69.69 54.98,70.66 C70.2 ; 55.95,69.69 v1(56.85,69.69) ; 55.95,69.69 54.94,68.68 54.94,68.61 ; 55.95,69.69 55.03,69.69 54.94,69.61 ; R24.1 U5.3 C52.1 ; C36.2 44.31,12.71 v1(43.76,12.16) ; R34.1 42.88,98.9 v2(42.88,101.44) ; v1(38.73,81.86) 38.73,81.97 38.75,82 ; 7.79,63.51 7.8,63.51
  Top w1.27: 7.69,64.93 7.69,72.68 8.67,73.66 R22.1 ; 7.69,64.93 7.69,64.72 8.9,63.51 ; 7.69,64.93 7.69,63.62 7.8,63.51 ; 7.8,63.51 v2(5.73,61.44) ; 7.8,63.51 8.9,63.51 ; 8.9,63.51 23.15,63.51 27.59,67.95 v2(33.35,67.95) ; 54.13,66.82 53.76,66.45 53.76,65.32 54.11,64.97 ; 54.13,66.82 53.19,65.88 ; 54.13,66.82 v1(54.94,67.63) 54.94,74.11 ; 56.05,72.99 VR1.3 58.57,72.99 59.14,73.56 59.14,82.76 L8.1 57.28,85.92 C61.2 56.85,94.93 56.21,95.57 53.99,95.57 52.94,96.61 C74.2 51.06,96.61 50.26,95.81 v1(46.45,95.81) 44.55,95.81 v1(43.83,95.09) v1(43.83,92.71) ; 56.05,72.99 56.05,73 54.94,74.11 ; 56.05,72.99 54.91,72.99 ; 53.19,65.88 v2(45.73,65.88) ; 53.19,65.88 54.11,64.97 ; C46.2 54.94,77.81 54.94,74.11 ; 54.11,64.97 55.15,63.93 55.15,63.86 55.14,63.86 J3.30 ; 56.05,73.01 54.94,71.9 ; C78.1 50.63,6.03 J13.1
  Bottom w0.406: C60.1 C58.1 ; C59.1 v1(54.94,67.63) ; v1(28.11,79.19) 28.14,79.17 28.14,79.22 ; v1(28.11,79.19) 29.22,80.3 v1(29.22,82.87) ; v1(28.11,79.19) 28.11,78.35 29.63,76.84 31.45,76.84 32.56,77.95 32.56,81.28 33.7,82.42 v1(34.79,82.42) 35.46,81.76 38.62,81.76 v1(38.73,81.86) ; J1.3 44.64,87.17 44.5,87.31 ; 52.72,66.99 v1(52.72,66.2) ; v1(29.22,88.42) v1(29.22,85.43) ; v1(47.37,73.16) U6.16
  Bottom w0.457: v1(29.22,85.43) v1(29.22,82.87)
  Bottom w0.635: J6.6 45.26,102.24 ; 45.26,102.24 46.05,101.44 ; 45.26,102.24 44.46,101.44 ; 45.26,102.24 45.26,101.44 ; 13.79,69.15 13.79,70.38 12.76,71.41 C29.2 ; v1(46.45,95.81) 46.45,94.31 47.56,93.2 C38.2 ; 44.5,87.31 44.5,86.78 v1(44.54,86.75) v1(44.54,89.25) 43.83,89.96 v1(43.83,92.71) ; 46.05,101.44 v2(52.55,101.44) 60.81,101.44 62.12,102.74 D17.1 ; 46.05,101.44 45.26,101.44 ; 44.46,101.44 45.26,101.44 ; 44.46,101.44 v2(42.88,101.44) ; 40.02,7.94 40.02,7.3 40.02,7.72 38.69,9.05 37.95,9.05 37.95,9.37 ; v1(56.85,69.69) U14.8 ; v2(12.24,67.79) v2(12.87,68.42) ; C44.1 35.41,68.99 36.52,70.09 36.53,70.09 v1(36.52,70.1) 38.34,70.1 v1(38.82,69.62) ; C43.1 27.95,67.95 ; J3.30 55.14,51.02 BTN_U1.1 ; 8.43,82.39 v2(8.43,83.34)
  Bottom w1.27: 39.38,9.37 40.02,8.73 40.02,8.41 ; 39.38,9.37 40.18,9.37 ; 39.38,9.37 37.38,9.37 36.84,9.9 36.84,14.61 ; BTN_U1.1 BTN_U1.1 ; BTN_U1.1 54.67,38.66 BTN_R1.1 BTN_R1.1 ; BTN_U1.1 54.67,42.21 54.72,42.16 BTN_L1.1 ; 27.79,24.45 32.56,24.45 34.97,22.04 ; 27.79,24.45 26.51,23.16 SELECT1.1 ; 27.79,24.45 26.5,25.74 26.5,32.09 BTN_A1.1 23.84,33.24 18.85,33.24 BTN_A1.1 13.19,38.91 13.19,43.34 12.08,44.45 BTN_B1.1 10.05,45.04 4.73,45.04 BTN_B1.1 5.25,45.56 5.25,60.96 v2(7,62.71) ; 40.02,8.41 40.02,9.21 40.18,9.37 ; 40.02,8.41 v1(40.02,6.19) ; 40.02,8.41 40.97,9.37 ; 36.19,15.26 START1.1 36.84,13.93 36.84,14.61 ; 36.19,15.26 34.97,16.48 34.97,22.04 ; 36.19,15.26 36.84,14.61 ; 40.18,9.37 40.97,9.37 ; BTN_L1.1 60.17,42.16 BTN_D1.1 BTN_D1.1 ; BTN_L1.1 68.29,42.16 ; L2.2 50.63,6.03 J13.1 48.32,5.99 47.48,6.83 47.48,11.43 46.75,12.16 v1(43.76,12.16) 40.97,9.37 ; v2(47.32,65.88) 42.15,65.88 v1(40.97,67.06) 36.3,67.06 C44.1 35.41,67.95 v2(32.56,67.95) ; 34.97,22.04 37.39,22.04 START1.1
  vias: v2(6.36,62.07) v2(27.64,67.95) v2(28.27,67.95) v2(46.53,65.88)
+5V: length 108.2
  Top w1.27: v2(9.72,61.12) v2(8.35,59.75) 8.35,53.9 10.54,51.71 53.04,51.71 J3.31 60.6,55.3 62.4,53.5 L7.1 ; R21.2 9.16,71.34 10.81,69.69 v2(10.81,67.95)
  Bottom w1.27: v2(8.35,59.75) 10.81,62.21 v2(10.81,68.9)
  vias: v2(9.05,60.45)
